# Altium PCB ANALOG_BOARD.PcbDoc (part 1 of 2) (continued)
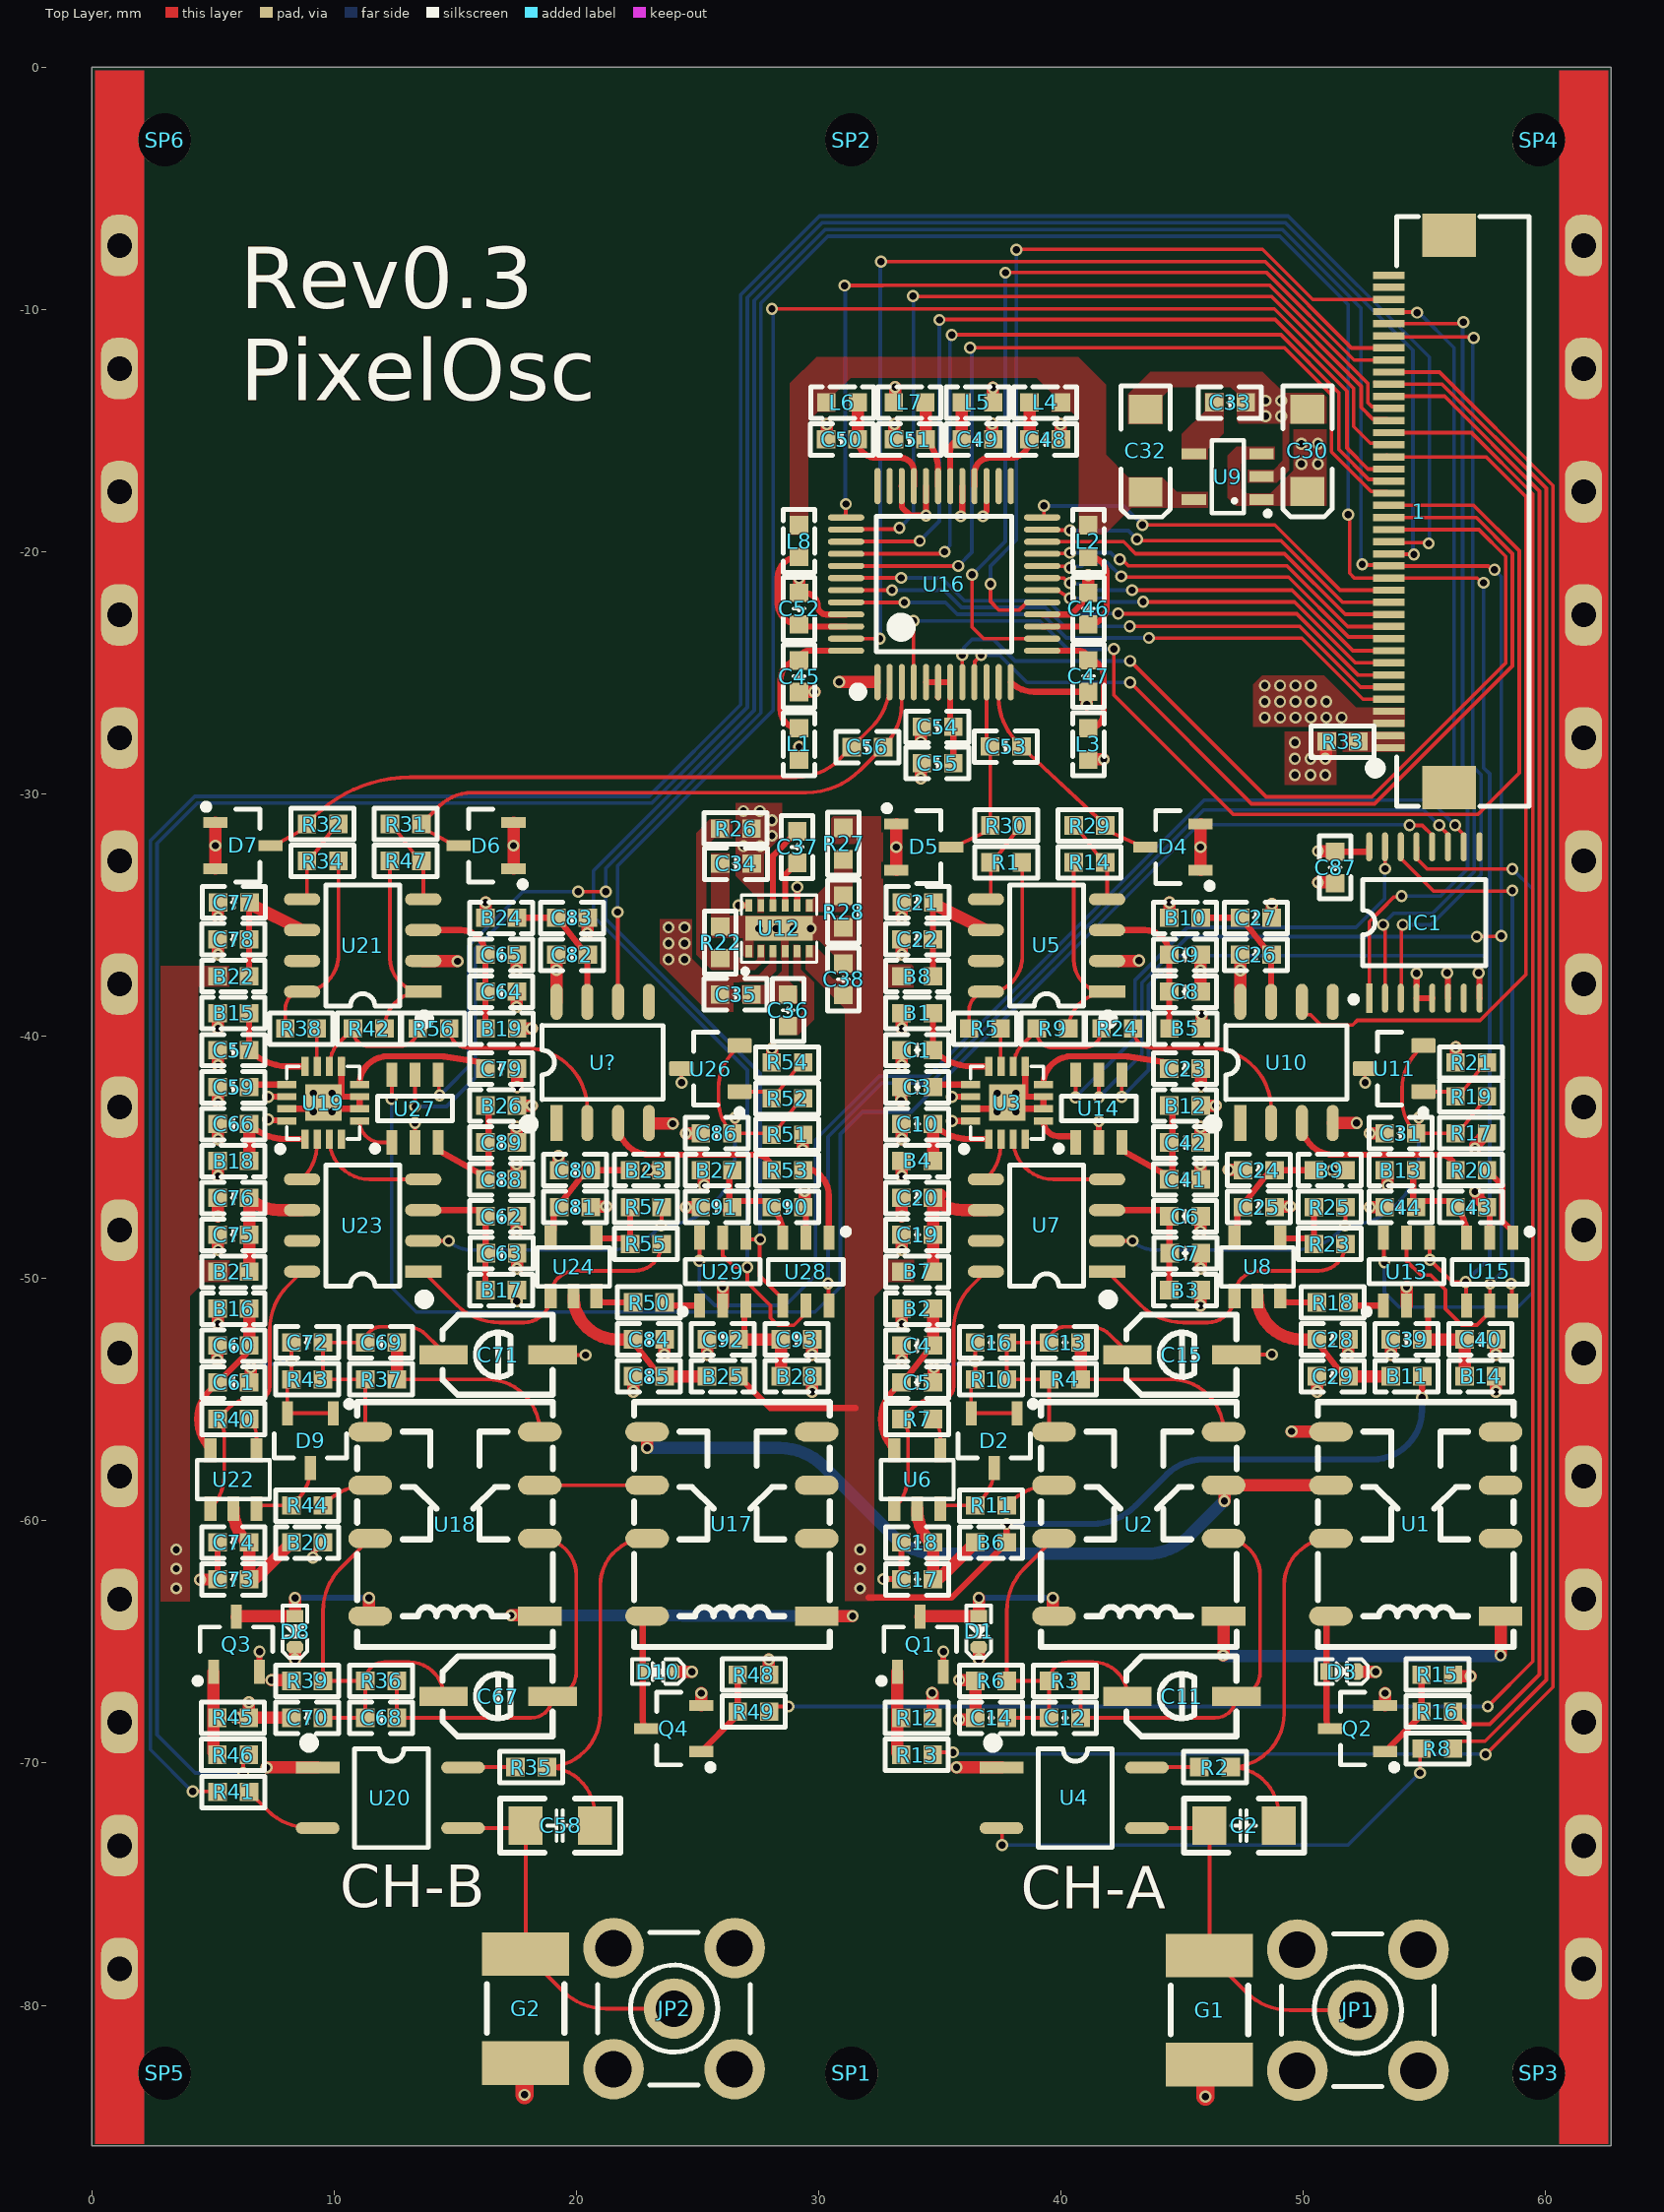
[diagram p0: Top Layer view]
## Footprints (in the part's own frame and the unit in brackets; to place one, negate y for a bottom-side part, rotate by r counter-clockwise, add the part's x,y. Pads: shape width x height; smd on the part's side, far side on the other; paste and mask are expansions set on the pad) (continued)
SMA_FR [mm] "SMA 90度射频天线座"
  round 2.5 hole 1.5: 1(0,0) 2(-2.5,2.5) 2(2.5,2.5) 3(-2.5,-2.5) 3(2.5,-2.5)
  silkscreen extent -3.15,-3.15 3.15,3.15, body extent -3.5,-3.5 3.5,11.6, height 10.26
SOD-523_L [mm]
  rect 0.5x0.7 smd: 1(-0.635,0)
  oct 0.5x0.7 smd: 2(0.635,0)
  silkscreen extent -1.08,-0.51 1.07,0.51, body extent -0.8,-0.4 0.8,0.4, height 0.65
SOP4_L [mm] "4.4*6.8*2.1mm（长宽高）"
  rect 1.8x0.5 smd: 1(-3,1.25)
  oval 1.8x0.5 smd: 2(-3,-1.25) 3(3,-1.25) 4(3,1.25)
  silkscreen extent -3.51,-2.05 1.57,2.42, body extent -3.4,-2.15 3.4,2.15, height 1.9
SOP8_L [mm] "5*6*1.8mm（长宽高）"
  rect 1.5x0.5 smd: 1(-2.5,1.905)
  oval 1.5x0.5 smd: 2(-2.5,0.635) 3(-2.5,-0.635) 4(-2.5,-1.905) 5(2.5,-1.905) 6(2.5,-0.635) 7(2.5,0.635) 8(2.5,1.905)
  silkscreen extent -2.69,-2.5 1.52,3.2, body extent -3,-2.5 3,2.5, height 1.9
SOT23-3L [mm] "3x1.3x1mm(长宽高)"
  rect 0.45x1 smd: 1(-0.95,-1.143) 2(0.95,-1.143) 3(0,1.125)
  silkscreen extent -1.73,-1.65 1.5,0.7, body extent -1.5,-1.2 1.5,1.2, height 1.05
SOT23-5 [mm]
  rect 0.5x1 smd: 1(0,0) 2(0.95,0) 3(1.9,0) 4(1.9,2.4) 5(0,2.4)
  silkscreen extent -0.55,0.4 2.45,2, body extent -0.5,-0.2 2.4,2.6, height 1.09
SOT23-5L [mm] "3x1.6x1.1mm(长宽高)"
  rect 0.45x1 smd: 1(-0.95,-1.4) 2(0,-1.4) 3(0.95,-1.4) 4(0.95,1.4) 5(-0.95,1.4)
  silkscreen extent -1.6,-1.73 1.5,0.66, body extent -1.5,-1.4 1.5,1.4, height 1.15
SOT23-6L [mm] "3x1.6x1.1mm(长宽高)"
  rect 0.45x1 smd: 1(-0.95,-1.397) 2(0,-1.397) 3(0.95,-1.397) 4(0.95,1.397) 5(0,1.397) 6(-0.95,1.397)
  silkscreen extent -1.77,-1.78 1.55,0.51, body extent -1.5,-1.4 1.5,1.4, height 1.15
"TQFP48 7x7_L" [mm] "48脚，体宽：7x7mm, 脚距：0.5mm"
  oval 0.25x1.5 smd: 1(-2.75,-4.046) 2(-2.25,-4.046) 3(-1.75,-4.046) 4(-1.25,-4.046) 5(-0.75,-4.046) 6(-0.25,-4.046) 7(0.25,-4.046) 8(0.75,-4.046) 9(1.25,-4.046) 10(1.75,-4.046) 11(2.25,-4.046) 12(2.75,-4.046) 25(2.75,4.046) 26(2.25,4.046) 27(1.75,4.046) 28(1.25,4.046) 29(0.75,4.046) 30(0.25,4.046) 31(-0.25,4.046) 32(-0.75,4.046) 33(-1.25,4.046) 34(-1.75,4.046) 35(-2.25,4.046) 36(-2.75,4.046)
  oval 1.5x0.25 smd: 13(4.046,-2.75) 14(4.046,-2.25) 15(4.046,-1.75) 16(4.046,-1.25) 17(4.046,-0.75) 18(4.046,-0.25) 19(4.046,0.25) 20(4.046,0.75) 21(4.046,1.25) 22(4.046,1.75) 23(4.046,2.25) 24(4.046,2.75) 37(-4.046,2.75) 38(-4.046,2.25) 39(-4.046,1.75) 40(-4.046,1.25) 41(-4.046,0.75) 42(-4.046,0.25) 43(-4.046,-0.25) 44(-4.046,-0.75) 45(-4.046,-1.25) 46(-4.046,-1.75) 47(-4.046,-2.25) 48(-4.046,-2.75)
  silkscreen extent -3.68,-4.57 2.79,2.79, body extent -4.5,-4.5 4.5,4.5, height 1.05
TSSOP16_L [mm] "5*6.4*1mm（长宽高）"
  rect 1.2x0.25 smd: 1(-3.125,2.275)
  oval 1.2x0.25 smd: 2(-3.125,1.625) 3(-3.125,0.975) 4(-3.125,0.325) 5(-3.125,-0.325) 6(-3.125,-0.975) 7(-3.125,-1.625) 8(-3.125,-2.275) 9(3.125,-2.275) 10(3.125,-1.625) 11(3.125,-0.975) 12(3.125,-0.325) 13(3.125,0.325) 14(3.125,0.975) 15(3.125,1.625) 16(3.125,2.275)
  silkscreen extent -3.3,-2.54 1.78,3.05, body extent -3.2,-2.5 3.2,2.5, height 1.03
WSON-12 [mil]
  rect 110.2x39.4 smd: 0(0,0)
  rect 11x19.7 smd: 1(-49.21,-37) 2(-29.53,-37) 3(-9.84,-37) 4(9.84,-37) 5(29.53,-37) 6(49.21,-37) 7(49.21,37) 8(29.53,37) 9(9.84,37) 10(-9.84,37) 11(-29.53,37) 12(-49.21,37)
  silkscreen extent -61,-73 61,54, body extent -59,-39 59,39, height 30

## Part data
1: library part FPC-40P, "FPC连接器", BOM名称=FPC连接器, 学习资源=www.ooocke.com, 版权归属=源创客
B1 B2 B3 B4 B5 B6 B7 B8 B9 B10 B11 B12 B13 B14 B15 B16 B17 B18 B19 B20 B21 B22 B23 B24 B25 B26 B27 B28: library part B, "贴片磁珠"
C1 C2 C3 C5 C7 C9 C10 C12 C13 C14 C16 C18 C20 C22 C23 C24 C27 C28 C31 C33 C34 C35 C36 C37 C38 C40 C42 C44 C45 C46 C47 C48 C49 C50 C51 C52 C53 C54 C56 C57 C58 C59 C61 C63 C65 C66 C68 C69 C70 C72 C74 C76 C78 C79 C80 C83 C84 C86 C87 C89 C91 C93: library part C, "无极性贴片电容", BOM名称=无极性贴片电容, 学习资源=www.ooocke.com, 版权归属=源创客
C4 C6 C8 C17 C19 C21 C25 C26 C29 C30 C32 C39 C41 C43 C55 C60 C62 C64 C73 C75 C77 C81 C82 C85 C88 C90 C92: library part C-CD, "贴片钽电容", BOM名称=贴片钽电容, 学习资源=www.ooocke.com, 版权归属=源创客
C11 C15 C67 C71: library part CP_SMD, "贴片可调电容"
D1 D3 D8 D10: "高速开关二极管", BOM名称=高速开关二极管, 学习资源=www.ooocke.com, 版权归属=源创客
D2 D4 D5 D6 D7 D9: "双肖特基二极管", BOM名称=肖特基二极管, 学习资源=www.ooocke.com, 属性=40V/2A, 版权归属=源创客
G1 G2: "气体放电管"
IC1: "138译码器", BOM名称=138译码器, 学习资源=www.ooocke.com, 版权归属=源创客
JP1 JP2: "SMA-2.4G射频天线接口", BOM名称=SMA-2.4G射频天线接口, 学习资源=www.ooocke.com, 版权归属=源创客
L1 L2 L3 L4 L5 L6 L7 L8: library part L, "小功率贴片电感", BOM名称=小功率贴片电感, 学习资源=www.ooocke.com, 版权归属=源创客
Q1 Q2 Q3 Q4: "场效应管"
R1 R2 R3 R4 R5 R6 R7 R8 R9 R10 R11 R12 R13 R14 R15 R16 R17 R18 R19 R20 R21 R22 R23 R24 R25 R26 R27 R28 R29 R30 R31 R32 R33 R34 R35 R36 R37 R38 R39 R40 R41 R42 R43 R44 R45 R46 R47 R48 R49 R50 R51 R52 R53 R54 R55 R56 R57: library part R, "贴片电阻", BOM名称=贴片电阻, 学习资源=www.ooocke.com, 版权归属=源创客
U1 U17: "继电器"
U2 U18: library part G6K-2Y-F-5V, "继电器"
U3 U19: "压控放大器"
U4 U20: "光电固态继电器"
U5 U7 U21 U23: "全差分运放", BOM名称=单路精密运放, 学习资源=www.ooocke.com, 版权归属=源创客
U6 U22: "FET输入运放", BOM名称=单路精密运放, 学习资源=www.ooocke.com, 版权归属=源创客
U8 U24: "零漂运放", BOM名称=单路精密运放, 学习资源=www.ooocke.com, 版权归属=源创客
U9: library part SP6201-3.3, "线性稳压器"
U10 U?: "高速比较器", BOM名称=单路精密运放, 学习资源=www.ooocke.com, 版权归属=源创客
U11 U26: library part CMP-0366-00975-2, "Low Voltage Adjustable Precision Shunt Regulator, 39 ppm / degC, 15 mA, -40 to 85 degC, 3-pin SOT-23 (DBZ), Green (RoHS & no Sb/Br)", Manufacturer="Texas Instruments", Rating=Catalog, Temp Coeff(Max)(ppm/ degree C)=129, Temp Coeff(Typ)(ppm/ degree C)=39, Code_JEDEC=TO-236, ComponentLink1Description="Manufacturer URL", ComponentLink1URL=http://www.ti.com/, ComponentLink2Description=Datasheet, ComponentLink2URL=http://www.ti.com/general/docs/lit/getliterature.tsp?genericPartNumber=TLV431A&fileType=pdf, ComponentLink3Description="Package Specification", ComponentLink3URL=http://www.ti.com/litv/pdf/mpds108a, DatasheetVersion=SLVS139T, Eco-Plan="Green (RoHS & no Sb/Br)", Initial Accuracy @ 25/deg C(%)=1, Iout/Iz(Max)(mA)=15, Min Iz for Regulation(uA)=80, Mounting Technology="Surface Mount", PackageDescription="3-Pin Plastic Small Outline, Body 2.92 x 1.3 mm, Pitch 0.95 mm", PackageReference=DBZ0003A, PackageVersion=4203227/B, PartNumber=TLV431AIDBZR, SubFamily="Shunt Voltage Reference", VO Adj(Max)(V)=6, VO Adj(Min)(V)=1.24
U12: "DC-DC电源芯片"
U13 U14 U15 U27 U28 U29: "单通道DAC"
U16: "并行双通道高速ADC"
SP1 SP2 SP3 SP4 SP5 SP6: BOM名称=铜柱, 学习资源=www.ooocke.com, 版权归属=源创客

## Free pads (board coordinates)
  rrect80% 1.524x2.54 hole 1.016: 3(1.143,-7.366) 3(61.557,-7.366) 4(1.143,-12.446) 4(61.557,-12.446) 5(1.143,-17.526) 5(61.557,-17.526) 6(1.143,-22.606) 6(61.557,-22.606) 7(1.143,-27.686) 7(61.557,-27.686) 8(1.143,-32.766) 8(61.557,-32.766) 9(1.143,-58.166) 9(1.143,-37.846) 9(61.557,-58.166) 9(61.557,-37.846) 10(1.143,-63.246) 10(1.143,-42.926) 10(61.557,-63.246) 10(61.557,-42.926) 11(1.143,-68.326) 11(1.143,-48.006) 11(61.557,-68.326) 11(61.557,-48.006) 12(1.143,-78.486) 12(1.143,-73.406) 12(1.143,-53.086) 12(61.557,-78.486) 12(61.557,-73.406) 12(61.557,-53.086)

## Via types
v1: diameter 0.5, hole 0.3, Top Layer to Bottom Layer, tented both sides, 313 vias

## Nets (pads, with @x,y where several pads share a name; then routed paths per layer and width w, separated by ;. In a path a pad name is that pad's centre, name@x,y a point inside that pad or via, vN(x,y) a via of type N, cw(c..) or ccw(c..) an arc to the next point about the centre after c; other vN are vias at no path point)
1V5REF: C31.1 R17.2 R19.2 R25.2 U7.2 U11.2 | length 25.7
  Top Layer w0.152: U7.2@41.895,-48.449 v1(42.951,-48.449) ; v1(51.714,-47.814) 51.729,-47.814 R25.2@51.729,-47.052 ; C31.1@54.762,-43.892 v1(54.762,-43.361) ; U11.2@54.939,-40.394 54.711,-40.622 ccw(c56.26,-42.172) 54.069,-42.172 54.069,-42.626 ccw(c56.028,-42.626) 54.643,-44.011 56.106,-44.011 cw(c56.106,-44.234) 56.264,-44.076 56.569,-43.772 57.259,-42.883 R19.2@57.564,-42.578
  Top Layer w0.508: R17.2@56.271,-44.004 R17.2@56.398,-43.877 ; R19.2@57.444,-42.607 R19.2@57.571,-42.48
  Bottom Layer w0.152: v1(42.951,-48.449) ccw(c43.845,-47.555) 43.845,-48.819 49.657,-48.819 ccw(c49.657,-46.279) 51.453,-48.075 v1(51.714,-47.814) ccw(c51.714,-44.766) 54.762,-44.766 v1(54.762,-43.361)
1V5REF_2: C86.1 R51.2 R52.2 R57.2 U23.2 U26.2 | length 25.8
  Top Layer w0.152: U23.2@13.676,-48.449 v1(14.732,-48.449) ; v1(23.495,-47.814) 23.51,-47.814 R57.2@23.51,-47.052 ; v1(26.543,-43.361) 26.543,-43.892 cw(c26.431,-43.892) C86.1@26.431,-44.004 ; U26.2@26.727,-40.387 26.499,-40.615 ccw(c28.048,-42.164) 25.857,-42.164 25.857,-42.618 ccw(c27.817,-42.618) C86.1@26.431,-44.004 ; R52.2@29.352,-42.57 29.047,-42.875 28.357,-43.764 R51.2@28.052,-44.069 ccw(c27.894,-44.227) 27.894,-44.004 C86.1@26.431,-44.004
  Top Layer w0.508: R57.2@23.495,-47.067 R57.2@23.51,-47.052 ; R52.2@29.225,-42.607 R52.2@29.352,-42.48
  Bottom Layer w0.152: v1(14.732,-48.449) ccw(c15.626,-47.555) 15.626,-48.819 21.438,-48.819 ccw(c21.438,-46.279) 23.234,-48.075 v1(23.495,-47.814) ccw(c23.495,-44.766) 26.543,-44.766 v1(26.543,-43.361)
2CHA_N: C53.1 D4.3 R29.2 U16.11 | length 9.6
  Top Layer w0.152: U16.11@37.422,-25.386 37.422,-26.042 ccw(c39.962,-26.042) 38.166,-27.838 C53.1@38.369,-28.042 38.674,-28.346 41.519,-30.999 R29.2@41.823,-31.304 42.128,-31.608 43.054,-32.044 D4.3@43.477,-32.193
2CHA_P: C53.2 D5.3 R30.2 U16.10 | length 7.8
  Top Layer w0.152: D5.3@35.458,-32.193 35.882,-32.044 36.775,-31.608 R30.2@37.079,-31.304 37.078,-30.999 37.078,-28.346 C53.2@37.069,-28.042 36.922,-27.737 U16.10@36.922,-25.386
2CHB_N: C56.2 D7.3 R32.2 U16.2 | length 28.4
  Top Layer w0.152: D7.3@7.366,-32.131 7.79,-31.982 8.57,-31.547 R32.2@8.875,-31.242 9.162,-30.955 cw(c13.128,-34.918) 13.128,-29.312 29.057,-29.312 ccw(c29.057,-26.772) 30.853,-28.568 C56.2@31.354,-28.067 32.178,-27.243 ccw(c30.382,-25.447) 32.922,-25.447 U16.2@32.922,-25.386
2CHB_P: C56.1 D6.3 R31.2 U16.3 | length 24.8
  Top Layer w0.152: D6.3@15.131,-32.131 14.707,-31.982 13.909,-31.547 R31.2@13.604,-31.242 14.333,-30.513 cw(c15.7,-31.88) 15.7,-29.947 29.471,-29.947 ccw(c29.471,-26.8) 31.696,-29.025 C56.1@32.654,-28.067 32.678,-28.043 ccw(c30.882,-26.247) 33.422,-26.247 U16.3@33.422,-25.386
5V: 1.3 1.4 C30.1 C35.2 U9.1 U9.3 U12.3 U12.8 U12.12 | length 1.2
  Top Layer w0.254: v1(26.695,-34.606) U12.12@27.108,-34.606 ; U12.8@29.108,-34.606 29.11,-34.604 29.11,-33.846 v1(29.112,-33.844)
  other v1: 23.8,-36.83 24.46,-36.83 23.8,-36.17 24.46,-36.17 23.8,-35.509 24.46,-35.509 48.4,-26.848 49.035,-26.848 49.67,-26.848 50.305,-26.848 50.94,-26.848 51.575,-26.848 48.4,-26.187 49.035,-26.187 49.67,-26.187 50.305,-26.187 50.94,-26.187 48.4,-25.527 49.035,-25.527 49.67,-25.527 50.305,-25.527 49.911,-16.383 50.597,-16.383 49.911,-15.545 50.597,-15.545
+3: B1.1 B2.2 B3.2 B4.2 B5.2 B9.2 B10.2 B12.1 B13.1 B14.1 B15.1 B16.2 B17.2 B18.2 B19.2 B23.2 B24.2 B26.1 B27.1 B28.1 C34.1 C87.2 D1.2 D3.2 D8.2 D10.2 IC1.6 IC1.16 L1.1 L3.1 L5.1 L7.1 R17.1 R26.1 R51.1 U1.1 U2.1 U3.14 U3.16 U4.1 U12.11 U17.1 U18.1 U19.14 U19.16 U20.1 | length 60.6
  Top Layer w0.254: v1(7.272,-43.434) 7.311,-43.473 8.026,-43.473 U19.16@8.049,-43.496 ; v1(7.272,-42.499) 8.049,-42.499 U19.14@8.049,-42.496 ; v1(35.491,-43.496) U3.16@36.268,-43.496 ; v1(35.491,-42.499) 36.268,-42.499 U3.14@36.268,-42.496 ; C87.2@51.308,-32.385 52.714,-32.385 52.716,-32.383 IC1.16@52.716,-32.181 ; v1(55.931,-37.389) 55.964,-37.422 IC1.6@55.966,-38.431 IC1.6@55.966,-38.431
  Top Layer w0.508: B16.2@5.192,-51.243 5.207,-51.258 v1(5.207,-51.878) ; B18.2@5.192,-45.147 5.207,-45.162 v1(5.207,-45.782) ; B15.1@5.192,-39.051 5.207,-39.066 v1(5.207,-39.686) ; v1(7.21,-70.186) U20.1@9.319,-70.186 ; v1(8.382,-65.721) D8.2@8.382,-65.213 ; B24.2@16.241,-35.114 16.256,-35.099 v1(16.256,-34.479) ; v1(17.297,-63.906) U18.1@18.409,-63.906 ; v1(17.526,-50.931) 17.526,-50.496 B17.2@17.541,-50.481 ; B26.1@17.541,-42.861 v1(18.161,-42.861) ; B19.2@17.555,-39.684 B19.2@17.555,-39.684 v1(18.161,-39.686) ; v1(22.972,-45.528) B23.2@23.51,-45.528 ; D10.2@24.003,-66.229 v1(24.765,-66.229) ; B27.1@25.131,-45.528 25.258,-45.655 25.258,-46.148 v1(25.273,-46.163) ; L1.1@29.185,-28.59 v1(29.185,-28.052) ; v1(29.337,-44.704) 29.337,-44.084 R51.1@29.352,-44.069 ; v1(29.718,-54.672) 29.718,-54.052 B28.1@29.733,-54.037 ; U17.1@29.916,-63.933 v1(31.394,-63.932) ; L7.1@33.092,-13.843 33.147,-13.788 v1(33.147,-13.208) ; B2.2@33.411,-51.243 33.426,-51.258 v1(33.426,-51.878) ; B4.2@33.411,-45.147 33.426,-45.162 v1(33.426,-45.782) ; B1.1@33.411,-39.051 33.426,-39.066 v1(33.426,-39.686) ; v1(35.682,-70.175) 35.692,-70.186 U4.1@37.538,-70.186 ; v1(36.601,-65.721) D1.2@36.601,-65.213 ; v1(37.186,-13.233) 37.186,-13.828 L5.1@37.201,-13.843 ; L3.1@41.123,-28.59 41.138,-28.575 v1(41.758,-28.575) ; B10.2@44.46,-35.114 44.475,-35.099 v1(44.475,-34.479) ; v1(45.745,-51.116) 45.745,-50.496 B3.2@45.76,-50.481 ; B12.1@45.76,-42.861 v1(46.38,-42.861) ; B5.2@45.774,-39.684 45.796,-39.662 v1(45.796,-39.091) ; v1(46.685,-65.557) 46.705,-65.537 U2.1@46.705,-63.933 ; v1@50.724,-32.36 51.283,-32.36 C87.2@51.308,-32.385 ; v1(51.191,-45.528) B9.2@51.729,-45.528 ; D3.2@52.222,-66.229 v1(52.984,-66.229) ; B13.1@53.35,-45.528 53.477,-45.655 53.477,-46.148 v1(53.492,-46.163) ; v1(57.078,-44.639) 57.078,-44.497 R17.1@57.571,-44.004 ; v1(57.937,-54.672) 57.937,-54.052 B14.1@57.952,-54.037 ; v1@58.135,-65.501 U1.1@58.135,-63.933
  Bottom Layer w0.508: v1(17.297,-63.906) v1(31.394,-63.932) ; v1(46.685,-65.557) 46.711,-65.583 58.11,-65.583 v1(58.135,-65.557)
  other v1: 50.597,-32.36 26.899,-32.156 27.584,-32.156 28.067,-31.725 28.067,-31.09 26.887,-30.709 27.572,-30.709
-2V5: B6.1 B7.1 B8.1 B11.2 B20.1 B21.1 B22.1 B25.2 C38.1 R27.1 U12.6 | length 33.9
  Top Layer w0.254: v1(9.119,-61.519) 9.166,-61.472 9.166,-61.269 B20.1@9.286,-61.149 ; B25.2@26.685,-54.037 27.995,-55.347 31.521,-55.347 ; 32.053,-63.17 35.484,-63.17 B6.1@37.759,-60.895 37.744,-60.88 v1(37.744,-60.133) ; v1(54.889,-54.926) 54.889,-54.037 B11.2@54.904,-54.037
  Bottom Layer w0.254: v1(37.744,-60.133) 41.264,-60.133 ccw(c41.264,-57.593) 43.06,-59.389 44.348,-58.101 cw(c45.881,-59.634) 45.881,-57.466 52.857,-57.466 ccw(c52.857,-55.434) 54.294,-56.87 ccw(c52.857,-55.434) 54.889,-55.434 v1(54.889,-54.926)
  other v1: 3.48,-62.789 31.699,-62.789 3.48,-61.976 31.699,-61.976 31.699,-61.189 3.48,-61.189
A3V_1: C45.2 L1.2 U16.48 | length 5.8
  Top Layer w0.254: L1.2@29.185,-27.29 cw(c29.185,-26.528) 28.423,-26.528 28.423,-25.258 cw(c29.185,-25.258) C45.2@29.185,-24.496 cw(c29.591,-24.496) 29.591,-24.09 U16.48@31.126,-24.09
A3V_2: C47.2 L3.2 U16.13 | length 5.7
  Top Layer w0.254: U16.13@39.218,-24.09 40.732,-24.09 cw(c40.732,-24.481) C47.2@41.123,-24.481 cw(c41.123,-25.116) 41.758,-25.116 41.758,-26.655 cw(c41.123,-26.655) L3.2@41.123,-27.29
A3V_3: C49.2 L5.2 U16.30 | length 3.7
  Top Layer w0.254: U16.30@35.422,-17.294 35.422,-15.846 cw(c35.901,-15.846) C49.2@35.901,-15.367
  Top Layer w0.508: C49.2@35.901,-15.367 L5.2@35.901,-13.843
A3V_4: C51.2 L7.2 U16.31 | length 3.6
  Top Layer w0.254: C51.2@34.407,-15.367 cw(c33.163,-16.611) 34.922,-16.611 U16.31@34.922,-17.294
  Top Layer w0.508: L7.2@34.392,-13.843 34.407,-13.843 C51.2@34.407,-15.367
CHA_CALI_RELAY: D3.1 Q2.3 U1.8 | length 4.7
  Top Layer w0.254: Q2.3@51.097,-68.576 cw(c51.447,-68.226) 50.952,-68.226 D3.1@50.952,-66.229 50.952,-64.374 cw(c51.577,-64.374) U1.8@51.135,-63.933
CHA_COMP: R9.1 R24.1 U3.10 | length 5.4
  Top Layer w0.152: U3.10@38.018,-41.307 cw(c39.417,-41.307) 38.428,-40.319 R9.1@38.999,-39.747 ; R9.1@38.999,-39.823 ccw(c39.649,-39.823) 39.649,-40.473 40.941,-40.473 ccw(c40.941,-39.747) R24.1@41.666,-39.747
CHA_N: R14.2 R29.1 U5.4 | length 3.5
  Top Layer w0.152: R29.1@40.523,-31.304 40.828,-31.608 41.519,-32.523 R14.2@41.823,-32.828 ; U5.4@41.895,-34.413 R14.2@41.895,-32.9
CHA_OFST: R23.2 U7.1 U8.1 | length 12.4
  Top Layer w0.152: U7.1@41.895,-49.719 43.249,-51.072 ccw(c45.045,-49.276) 45.045,-51.816 46.053,-51.816 ccw(c46.053,-50.722) U8.1@47.147,-50.722 cw(c48.187,-50.722) 48.187,-49.682 50.623,-49.682 ccw(c50.623,-48.576) R23.2@51.729,-48.576
CHA_OFST_F: R18.2 U13.1 | length 1.8
  Top Layer w0.254: R18.2@51.602,-50.989 ccw(c51.729,-50.989) 51.729,-51.116 U13.1@53.304,-51.116
CHA_P: R1.2 R30.1 U5.5 | length 3.7
  Top Layer w0.152: U5.5@36.895,-34.413 ccw(c36.895,-34.214) 37.094,-34.214 37.094,-32.828 37.399,-32.523 38.09,-31.608 R30.1@38.394,-31.304
CHA_PART_RELAY: D1.1 Q1.3 U2.8 | length 7.1
  Top Layer w0.254: Q1.3@34.188,-63.686 Q1.3@34.286,-63.588
  Top Layer w0.508: Q1.3@34.188,-63.961 cw(c34.232,-64.004) 34.232,-63.943 D1.1@36.601,-63.943 v1(36.601,-63.181) ; v1(39.649,-63.181) 39.649,-63.877 U2.8@39.705,-63.933
  Bottom Layer w0.254: v1(36.601,-63.181) v1(39.649,-63.181)
CHA_TRIG_VOL: R20.1 U15.1 | length 3.4
  Top Layer w0.254: R20.1@57.444,-45.401 58.206,-46.162 58.206,-47.62 58.633,-48.047 U15.1@58.633,-48.322
CHA_VGA_CTR: U3.5 U14.1 | length 1.6
  Top Layer w0.254: U3.5@39.268,-43.496 ccw(c39.903,-43.496) 39.903,-44.131 U14.1@40.538,-44.131
CHB_CALI_RELAY: D10.1 Q4.3 U17.8 | length 4.7
  Top Layer w0.254: Q4.3@22.878,-68.576 cw(c23.228,-68.226) 22.733,-68.226 D10.1@22.733,-66.229 22.733,-64.374 cw(c23.358,-64.374) U17.8@22.916,-63.933
CHB_COMP: R42.1 R56.1 U19.10 | length 5.4
  Top Layer w0.152: U19.10@9.799,-41.246 cw(c11.197,-41.246) 10.209,-40.257 R42.1@10.78,-39.686 10.78,-39.761 ccw(c11.43,-39.761) 11.43,-40.411 12.721,-40.411 ccw(c12.721,-39.686) R56.1@13.447,-39.686
CHB_N: R31.1 R47.2 U21.4 | length 3.6
  Top Layer w0.152: R31.1@12.304,-31.242 12.609,-31.547 13.299,-32.461 R47.2@13.604,-32.766 cw(c13.604,-32.838) 13.676,-32.838 U21.4@13.676,-34.352
CHB_OFST: R55.2 U23.1 U24.1 | length 12.4
  Top Layer w0.152: U23.1@13.676,-49.719 15.029,-51.072 ccw(c16.826,-49.276) 16.826,-51.816 17.834,-51.816 ccw(c17.834,-50.722) U24.1@18.928,-50.722 cw(c19.967,-50.722) 19.967,-49.682 22.403,-49.682 ccw(c22.403,-48.576) R55.2@23.51,-48.576
CHB_OFST_F: R50.2 U29.1 | length 1.8
  Top Layer w0.254: R50.2@23.383,-50.989 ccw(c23.51,-50.989) 23.51,-51.116 U29.1@25.085,-51.116
CHB_P: R32.1 R34.2 U21.5 | length 3.7
  Top Layer w0.152: U21.5@8.676,-34.352 ccw(c8.676,-34.153) 8.875,-34.153 R34.2@8.875,-32.766 9.18,-32.461 9.87,-31.547 R32.1@10.175,-31.242
CHB_PART_RELAY: D8.1 Q3.3 U18.8 | length 7.1
  Top Layer w0.254: Q3.3@5.969,-63.686 Q3.3@6.067,-63.588
  Top Layer w0.508: Q3.3@5.969,-63.961 cw(c6.012,-64.004) 6.012,-63.943 D8.1@8.382,-63.943 v1(8.382,-63.181) ; v1(11.43,-63.181) 11.43,-63.877 U18.8@11.486,-63.933
  Bottom Layer w0.254: v1(8.382,-63.181) v1(11.43,-63.181)
CHB_TRIG_VOL: R53.1 U28.1 | length 3.6
  Top Layer w0.254: R53.1@29.225,-45.401 cw(c29.225,-46.589) 30.414,-46.589 U28.1@30.414,-48.322
CHB_VGA_CTR: U19.5 U27.1 | length 1.8
  Top Layer w0.152: U19.5@11.049,-43.496 ccw(c11.938,-43.496) 11.938,-44.385 U27.1@12.385,-44.385
D3V: C32.1 L2.1 L4.1 L6.1 L8.1 U9.5
D3V_1: C46.2 L2.2 U16.15 | length 5.5
  Top Layer w0.254: U16.15@39.218,-23.09 C46.2@41.035,-23.09 ; C46.2@41.123,-23.002 ccw(c41.123,-22.24) 41.885,-22.24 41.885,-20.955 ccw(c41.138,-20.955) 41.138,-20.208 L2.2@41.123,-20.208
D3V_2: C48.2 L4.2 U16.28 | length 5.1
  Top Layer w0.254: U16.28@36.422,-17.294 36.422,-16.766 cw(c37.059,-16.766) 37.059,-16.129 37.933,-16.129 ccw(c37.933,-15.367) C48.2@38.695,-15.367
  Top Layer w0.508: C48.2@38.695,-15.367 L4.2@38.695,-13.843
D3V_3: C50.2 L6.2 U16.33 | length 5.2
  Top Layer w0.254: C50.2@31.598,-15.367 ccw(c32.36,-15.367) 32.36,-16.129 33.376,-16.129 cw(c33.376,-16.675) 33.922,-16.675 U16.33@33.922,-17.294
  Top Layer w0.508: C50.2@31.598,-15.367 31.613,-15.367 L6.2@31.613,-13.843
D3V_4: C52.2 L8.2 U16.46 | length 5.8
  Top Layer w0.254: L8.2@29.185,-20.208 ccw(c29.185,-21.097) 28.296,-21.097 28.296,-22.113 ccw(c29.185,-22.113) C52.2@29.185,-23.002 ccw(c29.273,-23.002) 29.273,-23.09 U16.46@31.126,-23.09
DGND: C1.1 C3.1 C4.2 C5.1 C6.2 C7.1 C8.2 C9.1 C10.2 C14.1 C15.2 C16.1 C17.1 C18.1 C19.1 C20.1 C21.1 C22.1 C23.2 C24.2 C25.2 C26.2 C27.1 C28.2 C29.1 C30.2 C31.2 C32.2 C33.1 C34.2 C35.1 C36.1 C38.2 C39.2 C40.2 C41.2 C42.2 C43.2 C44.2 C45.1 C46.1 C47.1 C48.1 C49.1 C50.1 C51.1 C52.1 C54.1 C55.2 C57.1 C59.1 C60.2 C61.1 C62.2 C63.1 C64.2 C65.1 C66.2 C70.1 C71.2 C72.1 C73.1 C74.1 C75.1 C76.1 C77.1 C78.1 C79.2 C80.2 C81.2 C82.2 C83.1 C84.2 C85.1 C86.2 C87.1 C88.2 C89.2 C90.2 C91.2 C92.2 C93.2 D2.1 D2.2 D4.1 D4.2 D5.1 D5.2 D6.1 D6.2 D7.1 D7.2 D9.1 D9.2 G1.2 G2.2 IC1.4 IC1.5 IC1.8 JP1.2 JP1.3 JP2.2 JP2.3 pad.3 pad.4 pad.5 pad.6 pad.7 pad.8 pad.9 pad.10 pad.11 pad.12 Q1.2 Q2.2 Q3.2 Q4.2 R6.1 R10.1 R12.2 R15.2 R21.1 R22.2 R28.2 R33.1 R39.1 R43.1 R45.2 R48.2 R54.1 SP1.1 SP2.1 SP3.1 SP4.1 SP5.1 SP6.1 U1.5 U3.0 U3.6 U3.7 U3.9 U3.15 U5.2 U9.2 U10.4 U10.8 U11.3 U12.0 U12.1 U12.4 U13.2 U14.2 U15.2 U16.1 U16.12 U16.16 U16.27 U16.29 U16.32 U16.34 U16.45 U19.0 U19.6 U19.7 U19.9 U19.15 U21.2 U26.3 U27.2 U28.2 U29.2 U?.4 U?.8 | length 138.1
  Top Layer w0.152: C72.1@8.24,-52.64 v1(8.24,-53.402) R43.1@8.24,-54.164 ccw(c8.657,-54.581) 8.067,-54.581 D9.2@8.067,-55.561 D9.1@9.967,-55.561 ; U27.2@13.335,-44.385 v1(13.335,-43.586) ; C71.2@19.014,-53.148 19.029,-53.162 v1(20.371,-53.162) ; U26.3@24.327,-41.337 24.327,-41.904 v1(24.333,-41.91) ; C16.1@36.459,-52.64 R10.1@36.459,-54.164 ccw(c36.877,-54.581) 36.286,-54.581 D2.2@36.286,-55.561 D2.1@38.186,-55.561 ; C15.2@47.233,-53.148 47.244,-53.137 v1(48.692,-53.137) ; U11.3@52.539,-41.344 52.539,-41.911 v1(52.545,-41.918)
  Top Layer w0.254: C73.1@5.192,-62.419 C74.1@5.192,-60.895 ; Q3.2@6.919,-66.171 v1(6.919,-65.401) ; U19.15@8.049,-42.995 9.299,-42.995 ccw(c9.299,-42.746) U19.0@9.549,-42.746 cw(c9.799,-42.746) 9.799,-42.496 10.424,-42.496 ; U19.0@9.799,-42.995 U19.6@11.049,-42.995 U19.7@11.049,-42.496 10.424,-42.496 ; U19.9@10.322,-40.973 10.299,-40.996 10.299,-42.371 ccw(c10.424,-42.371) 10.424,-42.496 ; C52.1@29.185,-21.702 29.423,-21.702 cw(c29.423,-22.225) 29.947,-22.225 ccw(c30.312,-22.225) 30.312,-22.59 U16.45@31.126,-22.59 ; C90.2@29.337,-47.037 C90.2@29.352,-47.052 29.464,-47.164 U28.2@29.464,-48.322 ; 32.293,-25.375 32.42,-25.375 32.422,-25.377 U16.1@32.422,-25.386 ; v1(32.664,-62.408) 33.4,-62.408 C17.1@33.411,-62.419 C18.1@33.411,-60.895 ; U16.34@33.422,-17.294 U16.34@33.422,-17.294 33.424,-18.158 33.777,-18.512 v1(34.422,-18.512) U16.32@34.422,-17.294 ; Q1.2@35.138,-66.171 v1(35.138,-65.401) ; v1(35.861,-18.542) 35.908,-18.495 35.908,-18.36 35.92,-18.348 35.92,-17.296 U16.29@35.922,-17.294 ; U3.15@36.268,-42.995 37.519,-42.995 ccw(c37.519,-42.746) U3.0@37.768,-42.746 cw(c38.018,-42.746) 38.018,-42.496 38.643,-42.496 ; v1(36.767,-18.542) 36.767,-18.475 36.92,-18.323 36.92,-17.296 U16.27@36.922,-17.294 ; U16.12@37.922,-25.386 ccw(c38.875,-24.432) 38.875,-25.781 C47.1@41.123,-25.781 ; U3.0@38.018,-42.995 U3.6@39.268,-42.995 U3.7@39.268,-42.496 38.643,-42.496 ; U3.9@38.542,-40.973 38.519,-40.996 38.519,-42.371 ccw(c38.643,-42.371) 38.643,-42.496 ; U16.16@39.218,-22.59 40.411,-22.59 40.869,-22.132 40.869,-21.956 C46.1@41.123,-21.702 ; U14.2@41.554,-44.436 v1(41.554,-43.51) ; IC1.4@54.666,-38.431 IC1.5@55.316,-38.431 ; IC1.4@54.666,-37.958 v1(54.666,-37.409) ; v1(57.226,-37.389) 57.264,-37.427 57.264,-38.429 IC1.8@57.266,-38.431 ; C43.2@57.556,-47.037 C43.2@57.571,-47.052 57.683,-47.164 U15.2@57.683,-48.322
  Top Layer w0.508: v1(4.47,-62.433) C73.1@5.192,-62.419 ; D7.2@5.098,-33.081 D7.1@5.098,-31.181 ; v1(5.182,-53.365) 5.182,-52.777 C60.2@5.192,-52.767 ; C75.1@5.192,-48.195 5.207,-48.21 v1(5.207,-48.83) ; C66.2@5.192,-43.623 5.207,-43.637 v1(5.207,-44.258) ; C59.1@5.192,-42.099 5.207,-42.114 v1(5.207,-42.734) ; C57.1@5.192,-40.575 5.207,-40.59 v1(5.207,-41.21) ; C78.1@5.192,-36.003 5.207,-36.018 v1(5.207,-36.638) ; v1(5.207,-47.433) 5.192,-47.433 C76.1@5.192,-46.671 C76.1@5.207,-46.686 ; v1(5.207,-35.114) C77.1@5.207,-34.479 ; v1(5.939,-68.123) 6.477,-68.123 6.488,-68.134 C70.1@8.24,-68.134 ; R45.2@6.477,-68.134 v1(6.477,-67.499) ; C61.1@6.492,-54.291 6.553,-54.229 v1(6.553,-53.67) ; v1(7.417,-66.573) 8.204,-66.573 R39.1@8.24,-66.61 ; C72.1@8.179,-52.579 C72.1@8.24,-52.64 ; U19.0@9.549,-42.746 U19.0@9.906,-43.103 ; U21.2@13.676,-36.892 13.68,-36.896 15.077,-36.896 v1(15.088,-36.906) ; D6.1@17.399,-33.081 D6.2@17.399,-31.181 ; v1(17.526,-48.068) 17.526,-47.448 C62.2@17.541,-47.433 ; v1(17.526,-45.274) 17.526,-45.894 C88.2@17.541,-45.909 ; v1(17.526,-43.75) 17.526,-44.37 C89.2@17.541,-44.385 ; v1(17.526,-38.797) 17.526,-38.177 C64.2@17.541,-38.162 ; v1(17.526,-37.273) 17.526,-36.653 C65.1@17.541,-36.638 ; v1(17.541,-49.592) 17.541,-48.972 C63.1@17.556,-48.957 ; C79.2@17.541,-41.337 17.551,-41.347 v1(17.551,-42.099) ; C82.2@19.162,-36.638 19.177,-36.652 v1(19.177,-37.273) U?.8@19.177,-38.583 ; v1(19.253,-44.943) 19.253,-45.492 C80.2@19.289,-45.528 ; v1(20.447,-35.749) 20.447,-35.129 C83.1@20.462,-35.114 ; C81.2@20.589,-47.052 20.69,-47.052 20.716,-47.026 v1(21.234,-47.026) ; C85.1@22.337,-54.037 22.352,-54.052 v1(22.352,-54.672) ; U?.4@22.987,-43.583 22.987,-43.608 22.991,-43.612 v1(23.978,-43.612) ; v1(23.622,-53.148) 23.622,-52.528 C84.2@23.637,-52.513 ; v1(24.511,-47.052) C91.2@25.131,-47.052 ; v1(24.511,-44.004) C86.2@25.131,-44.004 ; Q4.2@25.146,-67.626 v1(25.146,-67.118) ; C92.2@25.385,-52.513 25.4,-52.527 v1(25.4,-53.148) ; U29.2@26.035,-51.116 v1(26.035,-50.354) ; U12.0@27.215,-35.545 27.519,-35.545 v1(27.534,-35.56) ; U12.0@27.534,-35.545 U12.0@28.358,-35.545 28.941,-35.545 v1(28.956,-35.56) v1(29.667,-35.56) ; v1(27.94,-65.721) 27.94,-66.341 R48.2@27.955,-66.356 ; R54.1@28.052,-41.083 28.067,-41.068 v1(28.067,-40.513) ; C45.1@29.185,-25.796 29.2,-25.781 v1(29.82,-25.781) ; C52.1@29.185,-21.702 v1(29.185,-21.097) ; C90.2@29.337,-47.037 29.413,-46.961 v1(29.413,-46.38) ; v1(29.718,-53.148) 29.718,-52.528 C93.2@29.733,-52.513 ; C50.1@30.298,-15.367 30.328,-15.337 v1(30.328,-14.732) ; v1(30.836,-25.375) 32.293,-25.375 ; C51.1@33.107,-15.367 33.122,-15.352 v1(33.122,-14.732) ; D5.2@33.19,-33.143 D5.1@33.19,-31.243 ; v1(33.401,-42.672) 33.401,-42.109 C3.1@33.411,-42.099 ; C4.2@33.411,-52.767 33.426,-52.781 v1(33.426,-53.391) ; C19.1@33.411,-48.195 33.426,-48.21 v1(33.426,-48.83) ; C10.2@33.411,-43.623 33.426,-43.637 v1(33.426,-44.258) ; C1.1@33.411,-40.575 33.426,-40.59 v1(33.426,-41.203) ; C22.1@33.411,-36.003 33.426,-36.018 v1(33.426,-36.638) ; v1(33.426,-47.433) 33.411,-47.433 C20.1@33.411,-46.671 C20.1@33.426,-46.686 ; v1(33.426,-35.114) C21.1@33.426,-34.479 ; v1(34.214,-29.362) 34.214,-28.763 C55.2@34.25,-28.727 ; v1(34.214,-27.864) 34.214,-27.265 C54.1@34.25,-27.229 ; v1(34.671,-67.107) 34.696,-67.132 R12.2@34.696,-68.134 ; C5.1@34.711,-54.291 34.747,-54.164 v1(34.747,-53.67) ; v1(35.789,-68.199) 36.394,-68.199 C14.1@36.459,-68.134 R6.1@36.459,-66.61 36.423,-66.573 v1(35.789,-66.573) ; C16.1@36.398,-52.579 C16.1@36.459,-52.64 C16.1@36.474,-52.655 ; v1(37.16,-14.707) 37.16,-15.326 C49.1@37.201,-15.367 ; U3.0@37.768,-42.746 U3.0@38.125,-43.103 ; v1(39.98,-14.732) 39.98,-15.352 C48.1@39.995,-15.367 ; v1(41.054,-26.301) 41.054,-25.849 C47.1@41.123,-25.781 ; C46.1@41.123,-21.702 v1(41.123,-20.97) ; U5.2@42.391,-36.888 43.199,-36.888 v1(43.205,-36.881) ; v1(45.745,-48.068) 45.745,-47.448 C6.2@45.76,-47.433 ; v1(45.745,-45.274) 45.745,-45.894 C41.2@45.76,-45.909 ; v1(45.745,-43.75) 45.745,-44.37 C42.2@45.76,-44.385 ; D4.1@45.745,-33.143 D4.2@45.745,-31.243 ; v1(45.76,-49.592) 45.76,-48.972 C7.1@45.775,-48.957 ; C23.2@45.76,-41.337 45.771,-41.347 v1(45.771,-42.088) ; C8.2@45.76,-38.162 45.745,-38.147 v1(45.745,-37.283) 45.745,-36.653 C9.1@45.76,-36.638 ; v1(46.914,-45.517) 47.498,-45.517 C24.2@47.508,-45.528 ; C26.2@47.381,-36.638 47.381,-36.75 47.396,-36.765 v1(47.396,-37.283) U10.8@47.396,-38.583 ; C27.1@48.681,-35.114 48.692,-35.103 v1(48.692,-34.544) ; C25.2@48.808,-47.052 48.91,-47.052 48.935,-47.026 v1(49.454,-47.026) ; v1(49.505,-56.312) 49.515,-56.323 51.125,-56.323 U1.5@51.135,-56.333 ; C29.1@50.556,-54.037 50.571,-54.052 v1(50.571,-54.672) ; v1(50.597,-33.655) 51.278,-33.655 C87.1@51.308,-33.685 ; v1(50.902,-28.55) 50.923,-28.528 50.923,-27.878 R33.1@50.963,-27.838 ; U10.4@51.206,-43.583 51.21,-43.586 v1(52.197,-43.586) ; v1(51.841,-53.148) 51.841,-52.528 C28.2@51.856,-52.513 ; v1(52.73,-47.052) C44.2@53.35,-47.052 ; v1(52.73,-44.004) C31.2@53.35,-44.004 ; Q2.2@53.365,-67.626 v1(53.365,-67.118) ; C39.2@53.604,-52.513 53.619,-52.527 v1(53.619,-53.148) ; U13.2@54.254,-51.116 v1(54.254,-50.354) ; R15.2@56.174,-66.356 56.24,-66.421 v1(56.896,-66.421) ; R21.1@56.271,-41.083 56.286,-41.068 v1(56.286,-40.448) ; v1(57.078,-46.417) 57.205,-46.544 57.205,-46.685 C43.2@57.556,-47.037 ; v1(57.937,-53.148) 57.937,-52.528 C40.2@57.952,-52.513
  Top Layer w0.762: v1(17.856,-83.693) 17.856,-82.435 G2.2@17.904,-82.387 G2.2@18.256,-82.739 ; v1(45.949,-83.769) 45.949,-82.623 G1.2@46.123,-82.449 G1.2@46.413,-82.739
  Bottom Layer w0.152: v1(6.553,-53.67) v1(8.24,-53.402) ; v1(34.747,-53.67) v1(36.449,-53.416)
  other v1: 9.144,-43.115 9.906,-43.115 37.363,-43.115 38.125,-43.115 9.144,-42.353 9.906,-42.353 37.363,-42.353 38.125,-42.353 28.245,-35.56 33.19,-32.193 45.745,-32.193 5.098,-32.131 17.399,-32.131 49.644,-29.223 50.292,-29.223 50.902,-29.223 49.644,-28.55 50.292,-28.55 49.644,-27.877 48.438,-14.402 49.088,-14.402 48.438,-13.767 49.088,-13.767
FB+: R22.1 R26.2 U12.2
FB-: R27.2 R28.1 U12.7
Net1_1: 1.1 1.2 R33.2
Net1_5: 1.5 U16.44 | length 24
  Top Layer w0.152: U16.44@31.126,-22.09 31.13,-22.094 33.524,-22.094 v1(33.528,-22.098) ; v1(43.624,-23.558) 43.636,-23.57 49.935,-23.57 52.454,-26.089 1.5@53.515,-26.089
  Bottom Layer w0.152: v1(33.528,-22.098) 35.23,-22.098 35.712,-22.581 39.232,-22.581 40.209,-23.558 v1(43.624,-23.558)
Net1_6: 1.6 U16.43 | length 24
  Top Layer w0.152: U16.43@31.126,-21.59 v1(33.02,-21.59) ; v1(42.831,-23.082) 49.842,-23.082 52.349,-25.589 1.6@53.515,-25.589
  Bottom Layer w0.152: v1(33.02,-21.59) 35.179,-21.59 35.89,-22.301 39.347,-22.301 40.128,-23.082 v1(42.831,-23.082)
Net1_7: 1.7 U16.42 | length 24.1
  Top Layer w0.152: U16.42@31.126,-21.09 31.13,-21.086 33.397,-21.086 v1(33.401,-21.082) ; v1(42.35,-22.551) 42.365,-22.567 49.722,-22.567 52.244,-25.089 1.7@53.515,-25.089
  Bottom Layer w0.152: v1(33.401,-21.082) 35.066,-21.082 36.006,-22.022 39.463,-22.022 39.993,-22.551 v1(42.35,-22.551)
Net1_8: 1.8 U16.18 | length 15.5
  Top Layer w0.152: U16.18@39.218,-21.59 39.843,-21.59 v1(40.364,-21.924) ; v1(43.383,-22.073) 43.388,-22.077 49.628,-22.077 52.139,-24.589 1.8@53.515,-24.589
  Bottom Layer w0.152: v1(40.364,-21.924) 41.781,-21.924 41.929,-22.073 v1(43.383,-22.073)
Net1_9: 1.9 U16.19 | length 15.5
  Top Layer w0.152: U16.19@39.218,-21.09 40.115,-21.09 40.323,-21.297 v1(40.365,-21.297) ; v1(42.926,-21.59) 42.93,-21.586 49.532,-21.586 52.035,-24.089 1.9@53.515,-24.089
  Bottom Layer w0.152: v1(40.365,-21.297) 40.4,-21.332 40.844,-21.332 41.102,-21.59 v1(42.926,-21.59)
Net1_10: 1.10 U16.20 | length 15.7
  Top Layer w0.152: U16.20@39.218,-20.59 39.236,-20.609 40.306,-20.609 v1(40.368,-20.67) ; v1(42.481,-21.018) 42.513,-21.05 49.391,-21.05 51.856,-23.515 53.441,-23.515 1.10@53.515,-23.589
  Bottom Layer w0.152: v1(40.368,-20.67) 40.433,-20.605 40.846,-20.605 41.005,-20.447 41.904,-20.447 42.476,-21.018 v1(42.481,-21.018)
Net1_11: 1.11 U16.21 | length 15.6
  Top Layer w0.152: U16.21@39.218,-20.09 39.236,-20.071 40.336,-20.071 v1(40.365,-20.043) ; v1(42.418,-20.32) 42.512,-20.32 42.774,-20.582 49.318,-20.582 51.825,-23.089 1.11@53.515,-23.089
  Bottom Layer w0.152: v1(40.365,-20.043) 42.047,-20.043 42.324,-20.32 v1(42.418,-20.32)
Net1_12: 1.12 U16.22 | length 15.5
  Top Layer w0.152: U16.22@39.218,-19.59 42.577,-19.59 43.069,-20.082 49.213,-20.082 51.72,-22.589 1.12@53.515,-22.589
Net1_13: 1.13 U16.23 | length 15.5
  Top Layer w0.152: U16.23@39.218,-19.09 39.236,-19.108 40.342,-19.108 v1@40.361,-19.126 ; v1(43.129,-19.482) 43.193,-19.546 49.072,-19.546 51.615,-22.089 1.13@53.515,-22.089
  Bottom Layer w0.152: v1(40.365,-19.126) 42.774,-19.126 v1(43.129,-19.482)
Net1_14: 1.14 U16.24 | length 16.2
  Top Layer w0.152: U16.24@39.218,-18.59 39.249,-18.59 39.294,-18.545 v1(39.294,-18.11) ; v1(43.358,-18.898) 48.819,-18.898 51.51,-21.589 1.14@53.515,-21.589
  Bottom Layer w0.152: v1(39.294,-18.11) 42.57,-18.11 v1(43.358,-18.898)
Net1_15: 1.15 U13.4 U14.4 U15.4 U27.4 U28.4 U29.4 | length 158.8
  Top Layer w0.152: U27.4@14.285,-41.591 14.318,-41.624 14.318,-42.414 v1(14.351,-42.447) ; v1(20.066,-34.036) v1(21.209,-34.036) ; U29.4@26.985,-48.322 27.05,-48.387 v1@27.559,-48.387 ; v1(27.58,-48.387) v1@27.559,-48.387 ; U28.4@28.514,-51.116 28.514,-50.841 27.559,-49.886 v1@27.559,-48.387 ; v1(42.504,-42.504) U14.4@42.504,-41.591 ; v1(51.841,-18.466) 51.905,-18.53 51.905,-20.892 52.102,-21.089 1.15@53.515,-21.089 57.165,-21.089 57.361,-21.285 v1(57.433,-21.285) ; U13.4@55.204,-48.322 55.212,-48.329 55.212,-49.218 56.134,-50.14 v1(56.693,-50.14) 56.713,-50.16 56.713,-51.095 U15.4@56.733,-51.116
  Bottom Layer w0.152: v1(14.351,-42.447) 14.695,-42.104 15.541,-41.258 15.541,-36.275 17.78,-34.036 v1(20.066,-34.036) ; v1(27.58,-48.387) 27.58,-41.536 21.209,-35.165 v1(21.209,-34.036) 21.209,-33.062 27.61,-26.662 27.61,-9.745 30.37,-6.985 49.022,-6.985 51.841,-9.804 v1(51.841,-18.466) ; v1(42.504,-42.504) 43.612,-41.397 43.612,-37.906 44.846,-36.672 57.683,-36.672 ; v1(56.693,-50.14) 57.683,-49.149 57.683,-36.672 ; v1(57.433,-21.285) 57.433,-28.92 57.683,-29.17 57.683,-36.672
  other v1: 55.22,-49.225